# Altium PCB BLDC_Motor_Controller - Copy.PcbDoc (continued)
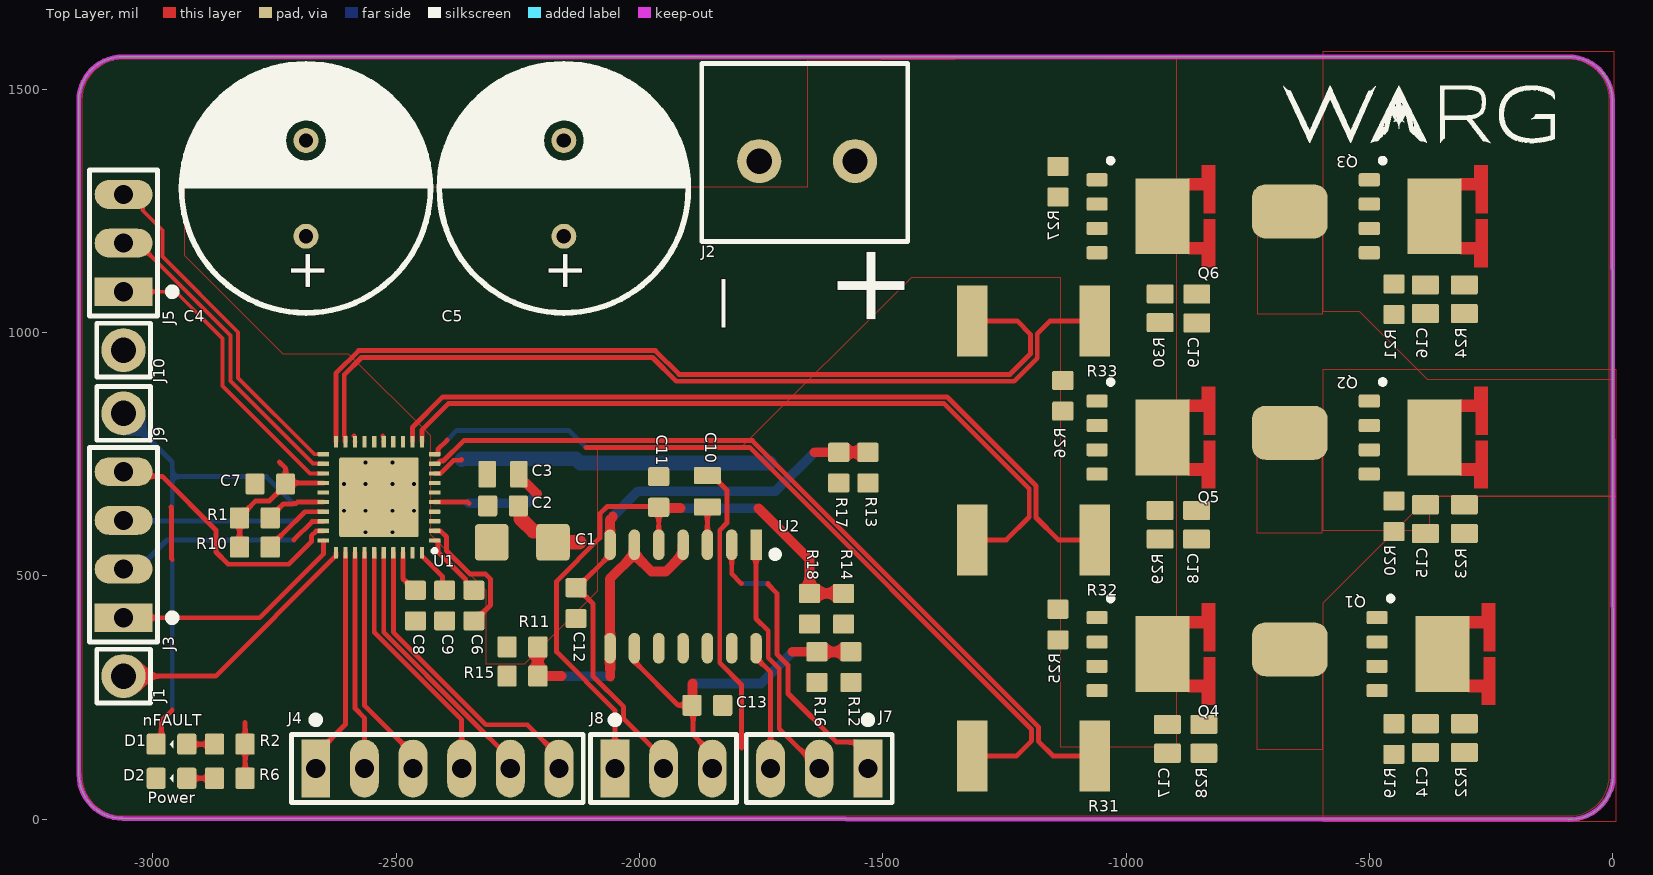
[diagram p0: Top Layer view]
## Part data (continued)
C11 C12 C13: "CAP CER 1nF 50V X7R ±10% 0603", Capacitance=1nF, Case Code (Imperial)=0402, Case Code (Metric)=1005, Dielectric=X7R, Manufacturer=Murata, Manufacturer Part Number=GCM155R71H102KA37D, Max Operating Temperature=125°C, Min Operating Temperature=-55°C, Package Quantity=1, Ratings=AEC-Q200, Supplier Part Number 1=490-4761-1-ND, Tolerance=10%, Voltage=50V, Case/Package=0402, Category="Ceramic Capacitors", ComponentLink1Description=https://datasheet.ciiva.com/130/product-130720.pdf?src-supplier=Digi-Key, ComponentLink1URL=https://datasheet.ciiva.com/130/product-130720.pdf?src-supplier=Digi-Key, ComponentLink2Description=https://datasheet.ciiva.com/3778/3103gcm155r71h102ka3723-3778878.pdf?src-supplier=Arrow+Electronics, ComponentLink2URL=https://datasheet.ciiva.com/3778/3103gcm155r71h102ka3723-3778878.pdf?src-supplier=Arrow+Electronics, ComponentLink3Description=https://datasheet.ciiva.com/18183/getdatasheetpartid-140970-18183520.pdf?src-supplier=Verical, ComponentLink3URL=https://datasheet.ciiva.com/18183/getdatasheetpartid-140970-18183520.pdf?src-supplier=Verical, ComponentLink4Description=https://datasheet.ciiva.com/11786/0900766b80ef92d0-11786143.pdf?src-supplier=RSComponents, ComponentLink4URL=https://datasheet.ciiva.com/11786/0900766b80ef92d0-11786143.pdf?src-supplier=RSComponents, ComponentLink5Description=https://datasheet.ciiva.com/16213/product-16213384.pdf?src-supplier=Future+Electronics, ComponentLink5URL=https://datasheet.ciiva.com/16213/product-16213384.pdf?src-supplier=Future+Electronics, Construction=Flat, Depth=0.5mm, Height=0.5mm, Lead Free="Lead Free", Length=1mm, Mount="Surface Mount", Packaging="Tape and Reel", Pricing 1="1=0.10000, 10=0.03200, 50=0.01740, 100=0.01420, 500=0.01012, 1000=0.00796, 2500=0.00723, 5000=0.00665 (USD)", Radiation Hardening=No, REACH SVHC="No SVHC", RoHS=Yes, RoHS Compliant=Yes, Series=GCM, Stock 1=17134775, Supplier 1=Digi-Key, Termination=SMD/SMT, Thickness=0.022inch, Voltage Rating=50V, Voltage Rating (DC)=50V, Width=0.02inch
C14 C15 C16 C17 C18 C19: library part CAP_OVERSIZED, "EMPTY PART FOR RC SNUBBER CIRCUIT (I just wanted the symbol and footprint to place)"
D1: "LED RED 2V 0603", Color=Red, Forward Voltage=2V, Manufacturer 1="Lite-On Inc.", Manufacturer Part Number 1=LTST-C194KRKT, Package=0603, Supplier Part Number 1=160-1835-1-ND, Mounting Type="Surface Mount", Supplier 1=Digi-Key
D2: "LED GREEN 2.1V 0603", Color=Green, Forward Voltage=2.1V, Manufacturer 1=SunLED, Manufacturer Part Number 1=XZVG53W-8, Package=0603, Supplier Part Number 1=1497-1215-1-ND, Mounting Type="Surface Mount", Supplier 1=Digi-Key
J1 J9 J10: "Mole Conn Header Vert 1POS Through Hole", Color=Black, Manufacturer=Sullins, Manufacturer Part Number=PREC001SFAN-RC, Package Quantity=1, Supplier Part Number 1=S1212EC-01-ND, Category=Connectors, ComponentLink1Description=https://datasheet.ciiva.com/740/xrxczzzsxxn-rc-st-11635-b-740964.pdf?src-supplier=Digi-Key, ComponentLink1URL=https://datasheet.ciiva.com/740/xrxczzzsxxn-rc-st-11635-b-740964.pdf?src-supplier=Digi-Key, Connector Type="Male Pin", Contact Mating Length=0.318inch, Contact Plating=Tin, Contact Type="Male Pin", Mount="Through Hole", Number of Positions=1, Number of Rows=1, Packaging=Bulk, Pricing 1="1=0.05000, 10=0.03400, 25=0.03160, 50=0.02360, 100=0.02020, 250=0.01948, 500=0.01680 (USD)", RoHS=Yes, Series=-, Stock 1=38123, Supplier 1=Digi-Key, Termination=Solder
J2: library part CON_2X1_5MM_SCREWTERM_RA_TH, "CONN SCREW TERMINAL 2X1 5MM RA TH", Manufacturer 1="Phoenix Contact", Manufacturer Part Number 1=1935161, Supplier Part Number 1=277-1667-ND, Mounting Type="Through Hole", Pitch=5mm, Supplier 1=Digi-Key
J3: "CONN HEADER 4X1 2.54MM MALE VERT TH", Manufacturer 1=Molex, Manufacturer Part Number 1=0022032041, Supplier Part Number 1=WM4002-ND, Connector Type=Header, Contact Type="Male Pin", Mounting Type="Through Hole", Number of Positions=4, Number of Rows=1, Pitch=2.54mm, Supplier 1=Digi-Key
J4: "CONN HEADER 6X1 2.54MM MALE VERT TH", Manufacturer 1=Molex, Manufacturer Part Number 1=0022032061, Supplier Part Number 1=WM4004-ND, Connector Type=Header, Contact Type="Male Pin", Mounting Type="Through Hole", Number of Positions=6, Number of Rows=1, Pitch=2.54mm, Supplier 1=Digi-Key
J5 J7 J8: library part CON_3X1_2.54MM_MALE_VERT_TH_HDR, "CONN HEADER 3X1 2.54MM MALE VERT TH", Manufacturer 1=Molex, Manufacturer Part Number 1=0022102031, Supplier Part Number 1=WM2723-ND, Connector Type=Header, Contact Type="Male Pin", Mounting Type="Through Hole", Number of Positions=3, Number of Rows=1, Pitch=2.54mm, Supplier 1=Digi-Key
Q1 Q2 Q3 Q4 Q5 Q6: "MOSFET N-CHANNEL 40V 1.35 mOhm PPAK SO-8", Continuous Drain Current (ID)=80A, Drain to Source Voltage (Vdss)=40V, Input Capacitance=9.4nF, Manufacturer="Vishay Siliconix", Max Operating Temperature=150°C, Max Power Dissipation=69.4W, Min Operating Temperature=-55°C, Supplier Part Number 1=SIJ438DP-T1-GE3CT-ND, Category=MOSFETs, ComponentLink1Description=http://www.vishay.com/docs/69684/sij438dp.pdf?src-supplier=Digi-Key, ComponentLink1URL=http://www.vishay.com/docs/69684/sij438dp.pdf?src-supplier=Digi-Key, Manufacturer Part Number=SIJ438DP-T1-GE3, Mount="Surface Mount", Packaging="Cut Tape", Pricing 1="1=1.81000, 10=1.62100, 100=1.26370, 500=1.04396, 1000=0.82418 (USD)", Rds On Max=1.35mR, RoHS=Yes, Stock 1=1338, Supplier 1=Digi-Key
R1 R10 R16 R17 R18: "RES 10K OHM ±1% 1/10W 0603", Manufacturer 1=Yageo, Manufacturer Part Number 1=RC0603FR-0710KL, Package=0603, Power Rating=1/10W, Supplier Part Number 1=311-10.0KHRCT-ND, Tolerance=±1%, Mounting Type="Surface Mount", Supplier 1=Digi-Key
R2: "RES 2.61k OHM ±1% 1/10W 0603", Case Code (Imperial)=0603, Case Code (Metric)=1608, Manufacturer=Yageo, Manufacturer Part Number=RC0603FR-072K61L, Max Operating Temperature=155°C, Max Power Dissipation=100mW, Min Operating Temperature=-55°C, Resistance=2.61kΩ, Resistor Type="Thick Film", Supplier Part Number 1=311-2.61KHRCT-ND, Temperature Coefficient=100ppm/°C, Tolerance=1%, Voltage Rating=75V, Voltage Rating (DC)=50V, Case/Package=0603, Category="Chip SMD Resistors", ComponentLink1Description=http://www.mouser.com/ds/2/447/RC0603-272842.pdf?src-supplier=Mouser, ComponentLink1URL=http://www.mouser.com/ds/2/447/RC0603-272842.pdf?src-supplier=Mouser, ComponentLink2Description=https://www.verical.com/server-webapp/html/getDatasheet?partID=329504&src-supplier=Verical, ComponentLink2URL=https://www.verical.com/server-webapp/html/getDatasheet?partID=329504&src-supplier=Verical, ComponentLink3Description=http://components.arrow.com/part/dataview/0323_03543055?src-supplier=Arrow+Europe, ComponentLink3URL=http://components.arrow.com/part/dataview/0323_03543055?src-supplier=Arrow+Europe, ComponentLink4Description=http://www.yageo.com/documents/recent/PYu-RC_Group_51_RoHS_L_9.pdf?src-supplier=Digi-Key, ComponentLink4URL=http://www.yageo.com/documents/recent/PYu-RC_Group_51_RoHS_L_9.pdf?src-supplier=Digi-Key, ComponentLink5Description=http://www.yageo.com/documents/recent/PYu-RC_Group_51_RoHS_L_10.pdf?src-supplier=Digi-Key, ComponentLink5URL=http://www.yageo.com/documents/recent/PYu-RC_Group_51_RoHS_L_10.pdf?src-supplier=Digi-Key, ComponentLink6Description=http://www.yageo.com/documents/recent/PYu-RC0603_51_RoHS_L_7.pdf?src-supplier=Future+Electronics, ComponentLink6URL=http://www.yageo.com/documents/recent/PYu-RC0603_51_RoHS_L_7.pdf?src-supplier=Future+Electronics, Construction=Rectangular, Depth=0.8mm, Features="Moisture Resistant", Height=0.45mm, Lead Free="Lead Free", Length=1.6mm, Military Standard=Not, Number of Terminations=2, Packaging="Tape and Reel", Power Rating=100mW, Pricing 1="1=0.10000, 10=0.02400, 100=0.00970, 1000=0.00436, 2500=0.00378 (USD)", RoHS=Yes, RoHS Compliant=Yes, Series=RC, Size Code=0603, Stock 1=103192, Supplier 1=Digi-Key, Termination=SMD/SMT, Weight=7.1E-05oz, Width=0.8mm
R6: "RES 2.4K OHM ±1% 1/10W 0603", Manufacturer 1=Yageo, Manufacturer Part Number 1=RC0603FR-072K4L, Package=0603, Power Rating=1/10W, Supplier Part Number 1=311-2.40KHRCT-ND, Tolerance=±1%, Mounting Type="Surface Mount", Supplier 1=Digi-Key
R11 R12 R13 R14: "RES 150k OHM ±1% 1/10W 0603", Case Code (Imperial)=0603, Case Code (Metric)=1608, Manufacturer=Yageo, Manufacturer Part Number=RC0603FR-07150KL, Max Operating Temperature=155°C, Max Power Dissipation=100mW, Min Operating Temperature=-55°C, Package Quantity=1, Resistance=150kΩ, Resistance Tolerance=1%, Resistor Type="Thick Film", Supplier Part Number 1=311-150KHRCT-ND, Temperature Coefficient=100ppm/°C, Voltage Rating=50V, Case/Package=0603, Category="Chip SMD Resistors", ComponentLink1Description=https://datasheet.ciiva.com/2454/pyu-r-int-thick-7-2454078.pdf?src-supplier=Digi-Key, ComponentLink1URL=https://datasheet.ciiva.com/2454/pyu-r-int-thick-7-2454078.pdf?src-supplier=Digi-Key, ComponentLink2Description=https://datasheet.ciiva.com/2454/pyu-r-int-thick-7-2454079.pdf?src-supplier=Digi-Key, ComponentLink2URL=https://datasheet.ciiva.com/2454/pyu-r-int-thick-7-2454079.pdf?src-supplier=Digi-Key, ComponentLink3Description=https://datasheet.ciiva.com/2454/pyu-r-int-thick-7-2454080.pdf?src-supplier=Digi-Key, ComponentLink3URL=https://datasheet.ciiva.com/2454/pyu-r-int-thick-7-2454080.pdf?src-supplier=Digi-Key, ComponentLink4Description=https://datasheet.ciiva.com/46412/443971-46412843.pdf?src-supplier=Element14, ComponentLink4URL=https://datasheet.ciiva.com/46412/443971-46412843.pdf?src-supplier=Element14, ComponentLink5Description=https://datasheet.ciiva.com/46440/1868787-46440892.pdf?src-supplier=Element14, ComponentLink5URL=https://datasheet.ciiva.com/46440/1868787-46440892.pdf?src-supplier=Element14, ComponentLink6Description=https://datasheet.ciiva.com/15189/getdatasheetpartid-326478-15189611.pdf?src-supplier=Verical, ComponentLink6URL=https://datasheet.ciiva.com/15189/getdatasheetpartid-326478-15189611.pdf?src-supplier=Verical, ComponentLink7Description=https://datasheet.ciiva.com/7746/443971-7746254.pdf?src-supplier=Element14, ComponentLink7URL=https://datasheet.ciiva.com/7746/443971-7746254.pdf?src-supplier=Element14, ComponentLink8Description=https://datasheet.ciiva.com/7746/443971-7746255.pdf?src-supplier=Element14, ComponentLink8URL=https://datasheet.ciiva.com/7746/443971-7746255.pdf?src-supplier=Element14, Construction=Rectangular, Depth=0.8mm, Features="Moisture Resistant", Height=0.022inch, Lead Free="Lead Free", Length=0.063inch, Military Standard=Not, Number of Pins=2, Number of Terminations=2, Packaging="Tape and Reel", Power Rating=100mW, Pricing 1="1=0.10000, 10=0.02400, 100=0.00970, 1000=0.00436, 2500=0.00378 (USD)", REACH SVHC="No SVHC", RoHS=Yes, RoHS Compliant=Yes, Series=RC, Size Code=0603, Stock 1=789169, Supplier 1=Digi-Key, Termination=SMD/SMT, Tolerance=1%, Voltage Rating (DC)=50V, Width=0.031inch
R15: library part RES_4.02kΩ_0603_1%, "RES 4.02k OHM ±1% 1/10W 0603", Case Code (Imperial)=0603, Case Code (Metric)=1608, Manufacturer=Yageo, Manufacturer Part Number=RC0603FR-074K02L, Max Operating Temperature=155°C, Max Power Dissipation=100mW, Min Operating Temperature=-55°C, Package Quantity=5000, Resistance=4.02kΩ, Resistor Type="Thick Film", Supplier Part Number 1=311-4.02KHRCT-ND, Temperature Coefficient=100ppm/°C, Tolerance=1%, Voltage Rating=50V, Working Voltage=75V, Case/Package=0603, Category="Chip SMD Resistors", ComponentLink1Description=https://datasheet.ciiva.com/2454/pyu-r-int-thick-7-2454036.pdf?src-supplier=Digi-Key, ComponentLink1URL=https://datasheet.ciiva.com/2454/pyu-r-int-thick-7-2454036.pdf?src-supplier=Digi-Key, ComponentLink2Description=https://datasheet.ciiva.com/15189/getdatasheetpartid-323806-15189751.pdf?src-supplier=Verical, ComponentLink2URL=https://datasheet.ciiva.com/15189/getdatasheetpartid-323806-15189751.pdf?src-supplier=Verical, Construction=Rectangular, Depth=0.8mm, Features="Moisture Resistant", Height=0.022inch, Lead Free="Lead Free", Length=0.063inch, Military Standard=Not, Number of Terminations=2, Packaging="Tape and Reel", Power Rating=100mW, Pricing 1="1=0.10000, 10=0.02400, 100=0.00970, 1000=0.00436, 2500=0.00378 (USD)", RoHS=Yes, RoHS Compliant=Yes, Series=RC, Stock 1=60268, Supplier 1=Digi-Key, Technology="METAL OXIDE FILM", Termination=SMD/SMT, Voltage Rating (DC)=50V, Width=0.031inch
R19 R20 R21 R25 R26 R27: "RES 4.7 OHM ±5% 1/10W 0603", Case Code (Imperial)=0603, Case Code (Metric)=1608, Manufacturer=Yageo, Manufacturer Part Number=RC0603JR-074R7L, Max Operating Temperature=155°C, Max Power Dissipation=100mW, Min Operating Temperature=-55°C, Package Quantity=1, Resistance=4.7Ω, Resistance Tolerance=5%, Resistor Type="Thick Film", Supplier Part Number 1=311-4.7GRCT-ND, Temperature Coefficient=200ppm/°C, Voltage Rating=50V, Working Voltage=75V, Case/Package=0603, Category="Chip SMD Resistors", ComponentLink1Description=https://datasheet.ciiva.com/2453/pyu-r-int-thick-7-2453178.pdf?src-supplier=Digi-Key, ComponentLink1URL=https://datasheet.ciiva.com/2453/pyu-r-int-thick-7-2453178.pdf?src-supplier=Digi-Key, ComponentLink2Description=https://datasheet.ciiva.com/2453/pyu-r-int-thick-7-2453179.pdf?src-supplier=Digi-Key, ComponentLink2URL=https://datasheet.ciiva.com/2453/pyu-r-int-thick-7-2453179.pdf?src-supplier=Digi-Key, ComponentLink3Description=https://datasheet.ciiva.com/2453/pyu-r-int-thick-7-2453180.pdf?src-supplier=Digi-Key, ComponentLink3URL=https://datasheet.ciiva.com/2453/pyu-r-int-thick-7-2453180.pdf?src-supplier=Digi-Key, ComponentLink4Description=https://datasheet.ciiva.com/8892/pyu-rc0603-51-rohs-l-4-8892911.pdf?src-supplier=Avnet, ComponentLink4URL=https://datasheet.ciiva.com/8892/pyu-rc0603-51-rohs-l-4-8892911.pdf?src-supplier=Avnet, ComponentLink5Description=https://datasheet.ciiva.com/15189/getdatasheetpartid-494144-15189877.pdf?src-supplier=Verical, ComponentLink5URL=https://datasheet.ciiva.com/15189/getdatasheetpartid-494144-15189877.pdf?src-supplier=Verical, ComponentLink6Description=https://datasheet.ciiva.com/12558/rc0603-272842-12558702.pdf?src-supplier=Mouser, ComponentLink6URL=https://datasheet.ciiva.com/12558/rc0603-272842-12558702.pdf?src-supplier=Mouser, ComponentLink7Description=https://datasheet.ciiva.com/46395/443971-46395081.pdf?src-supplier=Element14, ComponentLink7URL=https://datasheet.ciiva.com/46395/443971-46395081.pdf?src-supplier=Element14, Construction=Rectangular, Contact Plating=Tin,Matte, Depth=0.8mm, Features="Moisture Resistant", Height=0.022inch, Lead Free="Lead Free", Length=1.6mm, Military Standard=Not, Number of Pins=2, Number of Terminations=2, Packaging="Tape and Reel", Power Rating=100mW, Pricing 1="1=0.10000, 10=0.04000, 100=0.01620, 1000=0.00728, 2500=0.00632 (USD)", Radiation Hardening=No, REACH SVHC="No SVHC", RoHS=Yes, RoHS Compliant=Yes, Series=RC, Stock 1=136076, Supplier 1=Digi-Key, Technology="THICK FILM", Termination=SMD/SMT, Tolerance=5%, Voltage Rating (DC)=50V, Width=0.031inch
R22 R23 R24 R28 R29 R30: "EMPTY PART FOR RC SNUBBER CIRCUIT (I just wanted the symbol and footprint to place)"
R31 R32 R33: library part "RES_2512 (current sense)", "SMD Current Sense Resistors, TLR Series, 0.002 ohm, 2 W, - 1%, 2512 [6432 Metric]", Case Code (Imperial)=2512, Case Code (Metric)=6432, Manufacturer="TE Connectivity", Manufacturer Part Number=TLR3A20DR002FTDG, Max Operating Temperature=170°C, Min Operating Temperature=-55°C, Number of Resistors=1, Power Rating=2W, Resistance=2mΩ, Resistance Tolerance=1%, Resistor Type="Metal Strip", Supplier Part Number 1=A129566CT-ND, Temperature Coefficient=50ppm/°C, Case/Package=2512, Category="Chip SMD Resistors", ComponentLink1Description=https://datasheet.ciiva.com/25608/0900766b81196d57-25608892.pdf?src-supplier=RSComponents, ComponentLink1URL=https://datasheet.ciiva.com/25608/0900766b81196d57-25608892.pdf?src-supplier=RSComponents, ComponentLink2Description=https://datasheet.ciiva.com/7823/1610596-7823541.pdf?src-supplier=Element14, ComponentLink2URL=https://datasheet.ciiva.com/7823/1610596-7823541.pdf?src-supplier=Element14, ComponentLink3Description=https://datasheet.ciiva.com/46439/1610596-46439141.pdf?src-supplier=Element14, ComponentLink3URL=https://datasheet.ciiva.com/46439/1610596-46439141.pdf?src-supplier=Element14, Depth=3.2mm, ELV=Compliant, Height=0.6mm, Length=6.4mm, Mount="Surface Mount", Number of Terminations=2, Packaging="Tape and Reel", Pricing 1="1=0.90000, 10=0.78100, 25=0.68600, 50=0.62680, 100=0.54410, 250=0.47312, 500=0.39268, 1000=0.32172 (USD)", REACH SVHC="No SVHC", RoHS=Yes, RoHS Compliant=Yes, Series=TLR, Stock 1=11294, Supplier 1=Digi-Key, Technology="METAL STRIP", Termination=Solder, Tolerance=1%
U1: "Multiphase Motor Driver Power MOSFET PWM, SPI 40-WQFN (6x6)", Manufacturer="Texas Instruments", Package="40-WFQFN Exposed Pad", Supplier Part Number 1=296-DRV8353FSRTARCT-ND, Manufacturer Part Number 1=DRV8353FSRTAR, Mounting Type="Surface Mount", Supplier 1=Digi-Key
U2: "Low offset, quad differential comparator, automotive grade 14-SOIC -40 to 85", Case/Package=SOIC, Input Bias Current=250nA, Input Offset Voltage (Vos)=7mV, Manufacturer="Texas Instruments", Manufacturer Part Number=LM2901MX/NOPB, Max Dual Supply Voltage=18V, Max Operating Temperature=85°C, Max Power Dissipation=760mW, Max Supply Voltage=36V, Min Dual Supply Voltage=1V, Min Operating Temperature=-40°C, Min Supply Voltage=2V, Nominal Supply Current=2mA, Output Current=16mA, Supplier Part Number 1=LM2901MX/NOPBCT-ND, Voltage Gain=100dB, Category=Comparators, ComponentLink1Description=https://datasheet.ciiva.com/49046/1902682-49046154.pdf?src-supplier=Element14, ComponentLink1URL=https://datasheet.ciiva.com/49046/1902682-49046154.pdf?src-supplier=Element14, ComponentLink2Description=https://datasheet.ciiva.com/46382/1888794-46382543.pdf?src-supplier=Element14, ComponentLink2URL=https://datasheet.ciiva.com/46382/1888794-46382543.pdf?src-supplier=Element14, Contact Plating=Tin,Matte, Lead Free="Lead Free", Mount="Surface Mount", Number of Channels=4, Number of Elements=4, Number of Pins=14, Packaging="Tape and Reel", Power Dissipation=760mW, Pricing 1="1=1.05000, 10=0.93800, 25=0.89040, 100=0.73140, 250=0.68368, 500=0.60420, 1000=0.52500 (USD)", Quiescent Current=2mA, Radiation Hardening=No, REACH SVHC="No SVHC", Response Time=1.3us, RoHS=Yes, RoHS Compliant=Yes, Stock 1=29166, Supplier 1=Digi-Key

## Free pads (board coordinates)
  rrect50% 155.91x111.02 smd: 6(-663.37,1249.05) 7(-663.37,794.05) 8(-663.37,349.05)

## Via types
v1: diameter 7.87, hole 7.87, Top Layer to Bottom Layer, tented both sides, 12 vias

## Nets (pads, with @x,y where several pads share a name; then routed paths per layer and width w, separated by ;. In a path a pad name is that pad's centre, name@x,y a point inside that pad or via, vN(x,y) a via of type N, cw(c..) or ccw(c..) an arc to the next point about the centre after c; other vN are vias at no path point)
COMP_A: C11.2 J8.1 R14.1 R18.2 U2.5 | length 1309.4
  Top Layer w10: J8.1 -2050.47,223.7 -2170.47,343.7 -2170.47,488.98 -2081.28,578.17 -2081.28,627.31 -2065.69,642.9 -1962.38,642.9 C11.2 U2.5
  Top Layer w20: C11.2 -1959.16,639.67 -1916.17,639.67 -1915.47,638.98 ; -1755.47,638.98 -1650.47,533.98 R18.2 R14.1
  Bottom Layer w20: -1915.47,638.98 -1755.47,638.98
COMP_B: C12.2 J8.2 R13.1 R17.2 U2.7 | length 1203.2
  Top Layer w10: C12.2 C12.2@-2128.5,475.47 ; U2.7 -2060.47,543.5 C12.2@-2128.5,475.47 ; J8.2 -1950.47,123.98 -2032.6,206.1 -2032.6,231.1 -2095.47,293.98 -2095.47,442.44 C12.2@-2128.5,475.47
  Top Layer w20: U2.7 -2060.47,615.32 -2054.78,621.01 -2054.78,621.99 ; -1640.47,753.98 R17.2 R13.1
  Bottom Layer w20: -2054.78,621.99 -2002.8,673.98 -1720.47,673.98 -1640.47,753.98
COMP_C: C13.2 J8.3 R12.1 R16.2 U2.9 | length 713.7
  Top Layer w10: U2.9 -2007.87,348.77 -2007.87,321.37 -1920.8,234.3 -1900.8,234.3 C13.2@-1896.22,229.72 ; C13.2@-1889.72,223.23 -1889.72,173.12 -1850.47,133.86 J8.3
  Top Layer w20: C13.2 -1891.17,234.78 -1891.17,278.28 -1890.47,278.98 ; -1685.47,343.98 R16.2 R12.1
  Bottom Layer w20: -1890.47,278.98 -1750.47,278.98 -1685.47,343.98
GND: C1.1 C2.1 C4.2 C5.2 C7.1 C8.1 C9.1 C11.1 C12.1 C13.1 D2.2 J2.2 R15.1 R16.1 R17.1 R18.1 R31.1 R32.1 R33.1 U1.10 U1.11 U1.20 U1.25 U1.39 U1.41 U2.12 | length 5193.7
  Top Layer w10: U1.20 -2624.02,916.1 -2577.23,962.88 -1967.46,962.88 -1918.58,914 -1238.5,914 -1196.5,956 -1196.5,996.5 -1223.98,1023.98 R33.1 ; U1.11 -2446.85,799.97 -2392.85,853.98 -1373.78,853.98 -1199,679.2 -1199,621 -1246.02,573.98 R32.1 ; U1.10 -2415.12,750 -2414.45,750.67 -2414.45,760 -2395.47,778.98 ; -2110.47,763.98 -1773.78,763.98 -1194,184.2 -1194,161 -1225,130 R31.1
  Top Layer w30: C2.1 -2244.29,639.29 -2244.29,617.8 -2217.87,591.38 -2197.2,591.38 -2177.76,571.93 C1.1 -2124.41,568.98
  Bottom Layer w10: -2395.47,778.98 -2375.47,798.98 -2145.47,798.98 -2110.47,763.98
  other v1: -2562.99,589.57 -2507.87,589.57 -2607.28,633.86 -2562.99,633.86 -2507.87,633.86 -2463.58,633.86 -2607.28,688.98 -2562.99,688.98 -2507.87,688.98 -2463.58,688.98 -2562.99,733.27 -2507.87,733.27
NetC3_1: C3.1 U1.5 | length 278
  Top Layer w10: U1.5 -2353.07,651.57 -2350.47,648.98
  Top Layer w20: C3.1 -2247.99,699.13 -2240.28,691.42 -2233.89,691.42 -2211.45,668.98 -2210.47,668.98
  Bottom Layer w20: -2350.47,648.98 -2231.45,648.98 -2212.15,668.28
NetC6_1: C6.1 U1.2 | length 274.2
  Top Layer w10: U1.2 -2420.59,591.85 -2408.35,591.85 -2396.57,580.08 -2396.57,551.85 -2348.7,503.98 -2316.74,503.98 -2305.94,493.18 -2305.94,440.04 -2338.5,407.48 C6.1
NetC6_2: C6.2 U1.1 | length 140.6
  Top Layer w10: U1.1 -2415.12,572.83 -2414.45,572.17 -2414.45,549.93 -2357.13,492.6 -2357.13,485.16 -2342.44,470.47 C6.2
NetC8_2: C8.2 U1.38 | length 88.6
  Top Layer w10: U1.38 -2486.22,494.25 -2462.44,470.47 C8.2
NetC9_2: C9.2 U1.40 | length 88.9
  Top Layer w10: U1.40@-2446.18,540.43 -2405.05,499.3 -2405.05,475.05 C9.2
NetC10_1: C10.1 U2.3 | length 77.5
  Top Layer w10: U2.3 C10.1
NetC14_1: C14.1 R22.2
NetC14_2: C14.2 C17.2 pad.8 Q1.3 Q4.1 R14.2 U1.7
NetC15_1: C15.1 R23.2
NetC15_2: C15.2 C18.2 pad.7 Q2.3 Q5.1 R13.2 U1.14
NetC16_1: C16.1 R24.2
NetC16_2: C16.2 C19.2 pad.6 Q3.3 Q6.1 R12.2 U1.17
NetC17_1: C17.1 R28.2
NetC18_1: C18.1 R29.2
NetC19_1: C19.1 R30.2
NetD1_1: D1.1 R2.1 | length 57
  Top Layer w10: D1.1 R2.1
NetD1_2: D1.2 J9.1 R1.1 U1.26 | length 1130.4
  Top Layer w10: D1.2 -2982.72,164.72 -2982.72,201.73 -2960.47,223.98 ; -2962.93,641.52 -2961.7,640.29 -2961.7,535.2 -2960.47,533.98 ; R1.1 -2758.98,620.94 -2732.25,647.68 -2714.09,647.68 ; -2710.47,648.98 -2705.41,648.98 -2702.81,651.57 U1.26
  Bottom Layer w10: J9.1 -2960.47,733.98 -2960.47,703.98 ; -2962.93,641.52 -2960.47,643.98 -2960.47,703.98 ; -2960.47,223.98 -2960.47,533.98 ; -2710.4,647.64 -2766.74,703.98 -2960.47,703.98
NetD2_1: D2.1 R6.1 | length 57
  Top Layer w10: D2.1 R6.1
NetJ1_1: J1.1 U1.31 | length 545
  Top Layer w10: J1.1 -2871.14,293.98 -2624.02,541.1 U1.31
NetJ3_1: J3.1 U1.30 | length 493.1
  Top Layer w10: J3.1 -2780.47,413.98 -2649.61,544.84 U1.30
NetJ3_2: J3.2 U1.28 | length 451.6
  Top Layer w10: -2710.47,573.98 -2672.91,611.54 -2650.28,611.54 U1.28
  Bottom Layer w10: J3.2 -3030.79,513.98 -2971.1,573.66 -2710.79,573.66 -2710.47,573.98
NetJ3_3: J3.3 R10.1 U1.27 | length 493.8
  Top Layer w10: R10.1 -2758.98,560.94 -2708.49,611.43 -2708.02,611.43 -2687.56,631.89 U1.27
  Bottom Layer w10: J3.3 -3059.2,612.7 -2709.76,612.7 -2708.49,611.43
NetJ3_4: J3.4 U1.29 | length 551.3
  Top Layer w10: J3.4 -3051.03,704.53 -2981.03,704.53 -2870.47,593.98 -2870.47,548.98 -2845.47,523.98 -2720.47,523.98 -2674.29,570.16 -2674.29,582.12 -2664.56,591.85 -2650.28,591.85 U1.29
NetJ4_1: J4.1 U1.32 | length 468.6
  Top Layer w10: J4.1 -2665.47,133.66 -2604.33,194.8 U1.32
NetJ4_2: J4.2 U1.33 | length 451.2
  Top Layer w10: U1.33 -2584.65,227.56 -2565.47,208.38 J4.2
NetJ4_3: J4.3 U1.34 | length 484.5
  Top Layer w10: U1.34 -2564.96,233.15 -2465.47,133.66 J4.3
NetJ4_4: J4.4 U1.35 | length 517.7
  Top Layer w10: U1.35 -2545.28,383.78 -2365.47,203.98 J4.4
NetJ4_5: J4.5 U1.36 | length 551
  Top Layer w10: U1.36 -2525.59,383.89 -2351.47,209.78 ; -2351.47,209.74 -2265.47,123.74 J4.5
NetJ4_6: J4.6 U1.37 | length 634.3
  Top Layer w10: U1.37 -2505.91,384.01 -2337.47,215.57 -2315.91,193.98 -2230.47,193.98 -2165.47,128.98 J4.6
NetJ5_1: J5.1 U1.23 | length 622.5
  Top Layer w8: J5.1 -2953.24,1083.98 -2856.79,987.53 -2856.79,890.3 -2677.13,710.63 U1.23
NetJ5_2: J5.2 U1.22 | length 653.7
  Top Layer w8: J5.2 -3030.79,1183.98 -2840.92,994.11 -2840.92,900.27 -2671.29,730.65 -2649.94,730.65 U1.22
NetJ5_3: J5.3 U1.21 | length 724.3
  Top Layer w8: J5.3 -3044.69,1283.98 -3020.96,1260.25 -3020.96,1250.88 -2980.47,1210.39 -2980.47,1156.11 -2825.05,1000.68 -2825.05,906.85 -2668.2,750 U1.21
NetJ7_1: J7.1 U2.2 | length 631.3
  Top Layer w10: U2.2 -1810.47,503.98 -1790.47,483.98 ; -1735.79,483.98 -1735.79,482.44 -1717.6,464.25 -1717.6,339.37 -1694.72,316.5 -1694.72,258.23 -1594.84,158.35 -1555.16,158.35 -1530.47,133.66 J7.1
  Bottom Layer w10: -1790.47,483.98 -1735.79,483.98
NetJ7_2: J7.2 U2.1 | length 513.8
  Top Layer w10: U2.1 -1760.47,411.97 -1735.47,386.97 -1735.47,331.97 -1712.6,309.1 -1712.6,186.1 J7.2
NetJ7_3: J7.3 U2.14 | length 259.8
  Top Layer w10: U2.14 -1760.47,331.69 -1730.47,301.69 J7.3
NetQ1_2: Q1.2 R19.2
NetQ2_2: Q2.2 R20.2
NetQ3_2: Q3.2 R21.2
NetQ4_2: Q4.2 R25.2
NetQ4_3: Q4.3 R28.1 R31.2 U1.9 | length 1663
  Top Layer w10: U1.9 -2415.12,730.31 -2409.43,736 -2403.25,736 -2361.27,777.98 -1767.98,777.98 -1180,190 -1180,160 -1150,130 R31.2
NetQ5_2: Q5.2 R26.2
NetQ5_3: Q5.3 R29.1 R32.2 U1.12 | length 1618.2
  Top Layer w10: U1.12 -2466.54,805.56 -2404.12,867.98 -1367.98,867.98 -1185,685 -1185,620 -1138.98,573.98 R32.2
NetQ6_2: Q6.2 R27.2
NetQ6_3: Q6.3 R30.1 R33.2 U1.19 | length 1797.2
  Top Layer w10: U1.19 -2605,776.26 -2605,785.9 -2606.75,787.65 -2606.75,913.56 -2571.43,948.88 -1973.26,948.88 -1924.37,900 -1230,900 -1182.5,947.5 -1182.5,997.5 -1156.02,1023.98 R33.2
NetR11_1: R11.1 R15.2 U2.4 U2.6 U2.8 | length 650.2
  Top Layer w20: R11.1 R15.2 -2160.47,293.98 ; -2059.86,293.27 -2060.17,293.58 -2060.17,351.07 U2.8 -2060.47,494.29 U2.6@-2010.47,544.29 ; U2.6 -2010.47,543.98 -1975.47,508.98 -1945.79,508.98 -1911.66,543.11 -1911.66,562.79 U2.4
  Bottom Layer w20: -2160.47,293.98 -2160.12,293.62 -2060.21,293.62 -2059.86,293.27
NetR19_1: R19.1 U1.6
NetR20_1: R20.1 U1.15 | length 2.8
  Top Layer w10: U1.15@-2527.58,787.22 U1.15@-2526.26,785.9 ; U1.15@-2526.26,776.26 U1.15
NetR21_1: R21.1 U1.16
NetR25_1: R25.1 U1.8 | length 705.2
  Top Layer w10: U1.8 -2408.82,710.63 -2381.93,737.52 -2366.93,737.52 -2365.47,738.98
  Bottom Layer w30: -2365.47,738.98 -2363.34,741.11 -2131.32,741.11 -2122.14,731.94 -1732.51,731.94
NetR26_1: R26.1 U1.13
NetR27_1: R27.1 U1.18 | length 3.5
  Top Layer w10: -2587.09,787.67 U1.18@-2585.31,785.9 ; U1.18@-2585.31,776.26 U1.18
VBUS: C1.2 C2.2 C3.2 C4.1 C5.1 J2.1 Q1.1 Q2.1 Q3.1 R11.2 R22.1 R23.1 R24.1 U1.3 U1.4
VCC: C7.2 C10.2 J10.1 R1.2 R2.2 R6.2 R10.2 U1.24 | length 1037.8
  Top Layer w10: R10.2 R1.2 -2821.97,620.94 -2788.94,653.98 -2760.51,653.98 -2727.48,687.01 C7.2 ; R6.2 -2810.47,198.98 ; -2740.47,733.98 -2727.48,720.98 C7.2 ; U1.24 -2725.51,690.94 C7.2 ; C10.2 -1850.63,706.46 -1820.04,675.87 -1820.04,609 -1835.16,593.89 -1835.16,321.47 -1790.47,276.78 -1790.47,145.8
pads on no net: U2.10 U2.11 U2.13

## Polygon pours and split planes (outlines as drawn)
NetC16_2 on Top Layer "PHASE_C_TOP" (solid, shelved, pour order 2): -520.47,1043.98 -380.47,903.98 3.19,903.98 3.19,1577.28 -595.47,1577.28 -595.47,1043.98
NetC15_2 on Top Layer "PHASE_B_TOP" (solid, shelved, pour order 3): -595.47,923.98 -595.47,593.98 -375.47,593.98 -375.47,663.98 7.13,663.98 7.13,923.98
NetC14_2 on Top Layer "PHASE_A_TOP" (solid, shelved, pour order 4): 8.11,-4.41 8.11,663.98 -375.47,663.98 -595.47,443.98 -595.47,-4.41
VBUS on Top Layer "32" (solid, remove dead copper, shelved, pour order 15): -2085.47,468.98 -2085.47,763.98 -1790.47,763.98 -1440.47,1113.98 -1135.47,1113.98 -1135.47,148.98 -895.47,148.98 -895.47,1564.08 -1655.47,1558.98 -1655.47,1298.98 -2935.47,1298.98 -2935.47,1158.98 -2733.14,956.64 -2598.14,956.64 -2430.47,788.98 -2430.47,585.75 -2315.47,470.75 -2315.47,318.98 -2235.47,318.98
NetQ6_3 on Top Layer "Q6_SOURCE" (solid, shelved, pour order 29): -595.47,1283.98 -660.47,1283.98 -730.47,1213.98 -730.47,1038.98 -595.47,1038.98
NetQ5_3 on Top Layer "Q5_SOURCE" (solid, shelved, pour order 30): -596.39,838.98 -655.98,838.98 -731.39,763.57 -731.39,588.57 -596.39,588.57
NetQ4_3 on Top Layer "Q4_SOURCE" (solid, shelved, pour order 31): -595.82,389.02 -660.82,389.02 -730.82,319.02 -730.82,144.02 -595.82,144.02
GND on Top Layer "GND_TOP" (solid, shelved, pour order 49): -3146.17,89.75 ccw(c-3062.86,89.75) -3062.86,6.45 -89.71,6.45 ccw(c-89.71,89.75) -6.41,89.75 -6.4,1478.26 ccw(c-89.71,1478.26) -89.71,1561.56 -3062.68,1561.56 ccw(c-3062.86,1478.26) -3146.17,1478.26
NetC14_2 on Layer 2 "PHASE_A_LAYER_2" (solid, shelved, pour order 20): -602.47,15.59 1.11,15.59 1.11,672.22 -394.23,672.22 -582.47,483.98 -990.47,483.98 -999.8,482.44 -995.47,138.98 -900.47,138.98 -650.47,388.98 -602.47,388.98
NetC15_2 on Layer 2 "PHASE_B_LAYER_2" (solid, shelved, pour order 26): -997.3,953.98 -445.47,953.98 -395.47,903.98 7.05,903.98 7.05,663.98 -375.55,663.98 -375.55,478.98 -595.55,478.98 -595.55,842.05 -657.4,842.05 -829.13,670.32 -910.47,588.98 -997.3,588.98
NetC16_2 on Layer 2 "PHASE_C_LAYER_2" (solid, shelved, pour order 35): -595.93,902.85 2.74,902.85 2.74,1576.16 -595.93,1576.16 -595.93,1573.98 -995.47,1573.98 -995.47,1352.15 -995.47,1023.98 -928.64,1023.98 -655.61,1297 -595.93,1297
NetQ4_3 on Layer 2 "Q4_SHUNT" (solid, shelved, pour order 37): -905.47,143.98 -1047.76,143.98 -1122.8,219.02 -1200.47,219.02 -1200.47,-6.02 -595.47,-6.02 -595.47,388.98 -660.47,388.98
VCC on Layer 2 "VCC_LAYER_2" (solid, shelved, pour order 38): -2620.75,178.98 -1465.47,178.98 -1465.47,6.42 -2620.83,6.42 -3158.25,6.42 -3158.21,1028.98 -2825.47,1028.98 -2620.47,823.98
NetQ5_3 on Layer 2 "Q5_SHUNT" (solid, shelved, pour order 40): -910.47,583.98 -1035.47,583.98 -1110.47,658.98 -1200.47,658.98 -1200.47,488.98 -595.47,488.98 -595.47,838.98 -655.47,838.98
NetQ6_3 on Layer 2 "Q6_SHUNT" (solid, shelved, pour order 41): -1035.47,1033.98 -1115.47,1113.98 -1200.47,1113.98 -1200.47,948.98 -595.47,948.98 -595.47,1288.98 -655.47,1288.98 -910.47,1033.98
VBUS on Layer 2 "VBUS_LAYER_2" (solid, shelved, pour order 46): -3150.47,1568.98 -3150.47,-1.02 -890.47,-1.02 -890.47,1568.98
GND on Bottom Layer "GND_BOT" (solid, shelved, pour order 50): -3145.43,89.72 ccw(c-3062.13,89.72) -3062.13,6.42 -88.98,6.42 ccw(c-88.98,89.72) -5.67,89.72 -5.67,1478.23 ccw(c-88.98,1478.23) -88.98,1561.54 -3061.94,1561.54 ccw(c-3062.13,1478.23) -3145.43,1478.23
GND on Layer 1 "GND_LAYER_1" (solid, shelved, pour order 48): -3145.43,89.72 ccw(c-3062.13,89.72) -3062.13,6.42 -88.98,6.42 ccw(c-88.98,89.72) -5.67,89.72 -5.67,1478.23 ccw(c-88.98,1478.23) -88.98,1561.54 -3061.94,1561.54 ccw(c-3062.13,1478.23) -3145.43,1478.23

## Keep-outs
Keep-Out Layer:
  lines w10: -3152.52,91.77 -3152.52,1476.82 cw(c-3062.52,1476.97) -3062.38,1566.97 ; -3152.13,91.38 ccw(c-3062.13,91.38) -3062.13,1.38 -90.34,-0.69 ccw(c-88.53,89.29) 1.44,87.1 -0.31,1476.82 ccw(c-90.31,1476.89) -90.32,1566.89 -3062.38,1566.89

## Silkscreen, mask and mechanical layers (free items; w line width, h text height)
Top Overlay:
  drawing of 6 lines, arcs and shapes, not listed
  text "+" at -1645,1188.43 h275.59 r270
  text "-" at -1645,991.57 h472.44 r90
  text "nFAULT" at -3020.47,183.98 h39.37
  text "Power" at -3010.47,23.98 h39.37
Bottom Overlay:
  text "MAX VOLTAGE 25.2V / MAX CURRENT 40A" at -2015.35,1540 h78.74 r180
  text "-" at -1645,1298.43 h472.44 r90
  text "SOC" at -2904.73,1270 h40
  text "SOB" at -2905.24,1170 h40
  text "+" at -1645,1101.57 h275.59 r270
  text "SOA" at -2905.24,1070 h40
  text "PHASE C" at -286.4,970 h40
  text "VCC" at -2899.19,940 h40
  text "nFAULT" at -2849.11,810 h40
  text "PHASE B" at -286.4,770 h40
  text "SCLK" at -2887.47,700 h40
  text "SDO" at -2904.93,600 h40
  text "PHASE A" at -286.4,570 h40
  text "SDI" at -2921.72,500 h40
  text "nSCS" at -2890,400 h40
  text "ENABLE" at -2839.19,280 h40
  text "GATE DRIVER INPUT" at -2230.47,190 h40
  text "BEMF ADC" at -1860.1,190 h40
  text "BEMF COMPARATOR" at -1500,190 h40
  text "BLDC MOTOR CONTROLLER / JASON S. / FEB 2021 / REV1" at -118.11,118.11 h100

## Text inside footprints (layer, text, board x,y; h text height)
C4: Top Overlay "+" at -2647.31,1081.42 h78.74 r90
C5: Top Overlay "+" at -2117.31,1081.42 h78.74 r90